# Altium PCB Board.PcbDoc (part 2 of 2)
Units mm, origin at the board's own origin, x right, y up, seen from the top; angles counter-clockwise.
Board outline 100 x 100 mm, 2 copper layers (1-Top, 2-Bottom), stack 1.027 mm thick; 157 components, 128 nets, 685 pads, 673 vias.
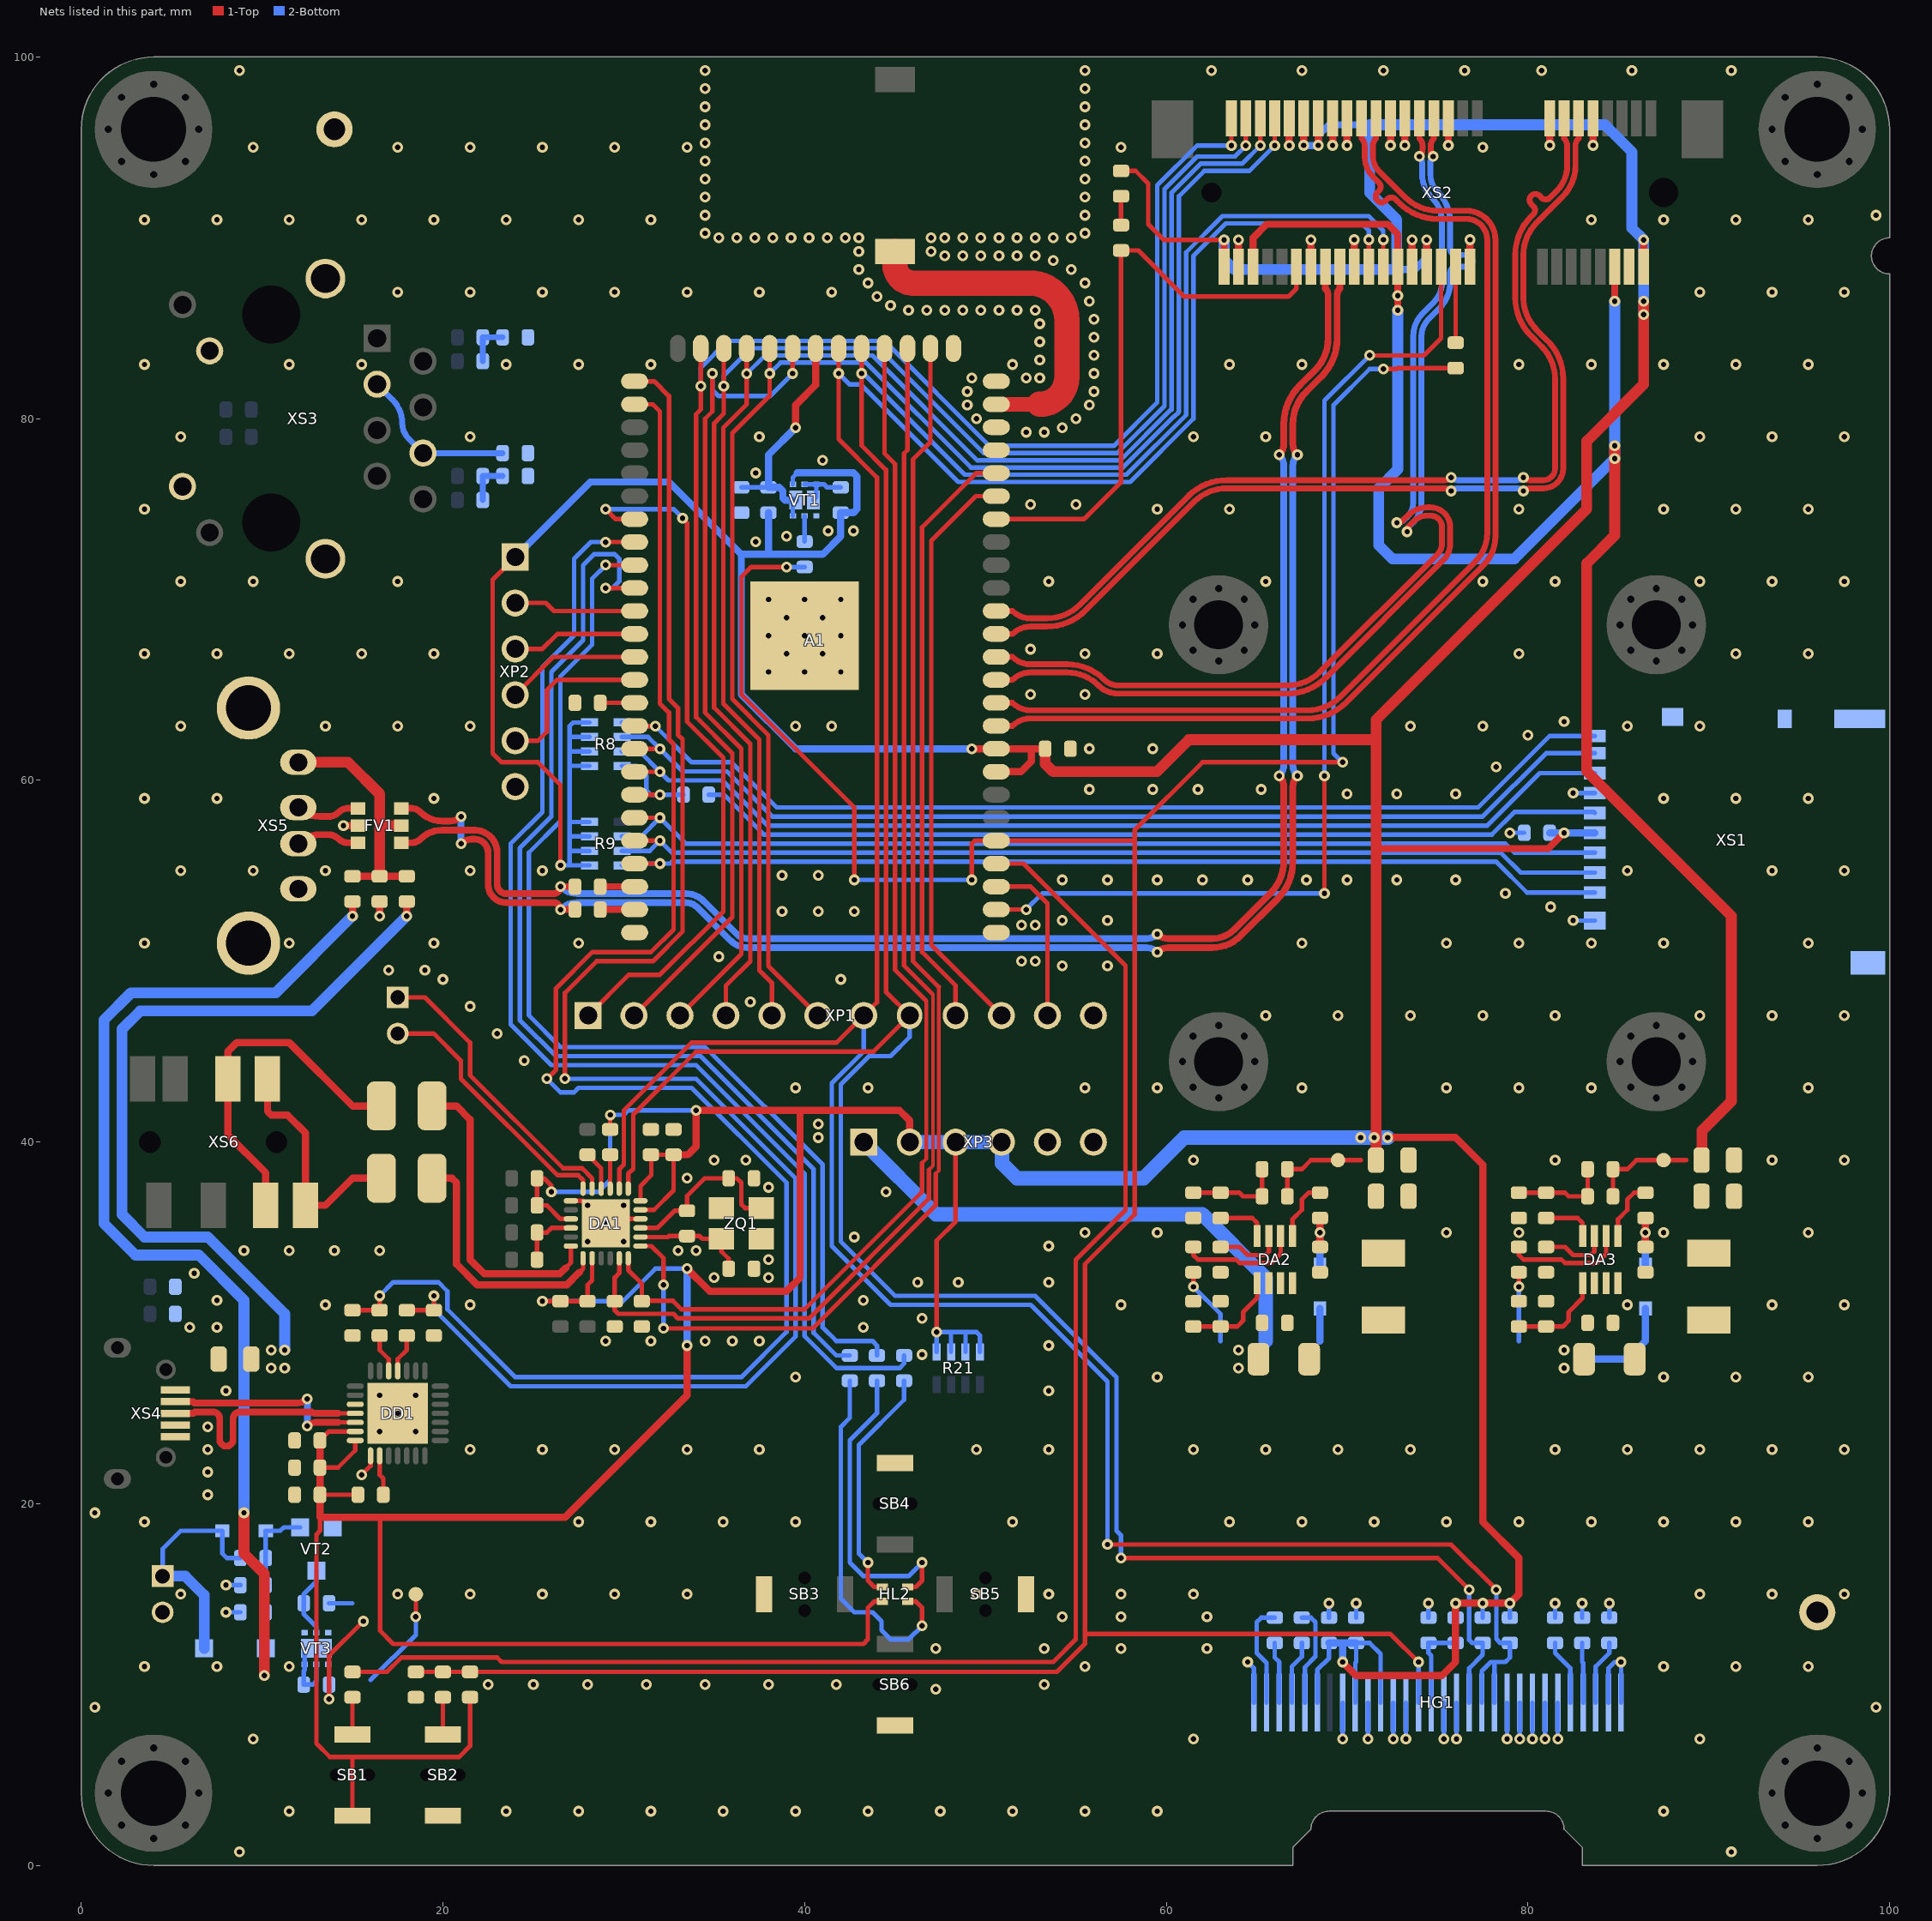
[diagram p2: the nets of this part, all layers, seen from the top]

## Via types
v1: diameter 0.6, hole 0.3, 1-Top to 2-Bottom, tented both sides, 649 vias
v2: diameter 0.6, hole 0.3, 1-Top to 2-Bottom, 24 vias

## Nets (pads, with @x,y where several pads share a name; then routed paths per layer and width w, separated by ;. In a path a pad name is that pad's centre, name@x,y a point inside that pad or via, vN(x,y) a via of type N, cw(c..) or ccw(c..) an arc to the next point about the centre after c; other vN are vias at no path point) (continued)
GND: A1.1 A1.22 A1.23 A1.25 A1.63 A1.TP C1.2 C2.1 C3.2 C4.1 C5.1 C6.1 C9.1 C10.1 C11.1 C12.1 C13.1 C14.1 C15.1 C16.1 C17.2 C18.1 C19.1 C20.1 C21.1 C25.2 C26.2 C33.1 C34.1 C35.1 C36.1 C37.1 C38.1 C39.1 C40.1 C41.1 C46.1 C47.1 C48.1 C49.1 DA1.10 DA1.19 DA1.TP DA2.4 DA3.4 DD1.3 DD1.TP FV1.2 HG1.1 HG1.8 HG1.10 HG1.12 HG1.13 HG1.16 HG1.17 HG1.21 HG1.22 HG1.23 HG1.24 HG1.25 HG1.29 HG1.30 KT4.1 KT5.1 L2.1 R10.1 R14.1 R23.1 R24.1 R25.2 R35.1 R36.1 R41.2 R45.1 R46.1 R53.1 R54.1 SB2.1 SB3.2 SB4.2 SB5.2 SB6.2 VT1.1 VT2.3 VT3.1 XP1.12 XP2.6 XP3.5 XP3.6 XP5.2 XS1.6 XS1.CASE XS1.CDA XS2.4 XS2.9 XS2.15 XS2.18 XS2.21 XS2.26 XS2.27 XS2.29 XS2.34 XS2.35 XS2.37 XS2.40 XS2.43 XS2.50 XS3.10 XS3.11 XS3.CASE XS4.4 XS4.5 XS5.4 XS5.5 ZQ1.2 ZQ1.4 | length 63.1
  1-Top w0.25: DA1.19@27.075,36.75 27.75,36.75 v2(28,36.5) ; v2(29,35.5) 29.25,35.75 DA1.10@30.925,35.75
  1-Top w0.4: v1(14.5,57.5) FV1.2@15.3,57.5 ; v1(16.5,52.5) C17.2@16.5,53.3 ; XS2.50@64,88.389 XS2.50@64,88.4 v1(64,89.889) ; v1(66.8,95.1) XS2.43@66.8,96.6 ; XS2.40@68,88.389 XS2.40@68,88.4 v1(68,89.889) ; v1(69.2,95.111) XS2.37@69.2,96.6 XS2.37@69.2,96.611 ; v1(70,95.111) XS2.35@70,96.6 XS2.35@70,96.611 ; XS2.34@70.4,88.4 v1(70.4,89.9) ; v1(72.4,95.111) XS2.29@72.4,96.6 XS2.29@72.4,96.611 ; v1(73.2,95.111) XS2.27@73.2,96.6 XS2.27@73.2,96.611 ; XS2.26@73.6,88.389 XS2.26@73.6,88.4 v1(73.6,89.889) ; v1(75.6,95.111) XS2.21@75.6,96.6 XS2.21@75.6,96.611 ; XS2.18@76.8,88.4 v1(76.8,89.9) ; v1(81.2,95.111) XS2.15@81.2,96.6 XS2.15@81.2,96.611 ; v1(83.6,95.111) XS2.9@83.6,96.6 XS2.9@83.6,96.611
  2-Bottom w0.25: v1(8,14) C33.1@8.8,14 ; v1(8,15.5) R41.2@8.8,15.5 ; v1(64.5,11.25) 64.85,10.9 HG1.1@64.85,9 ; C5.1@69,13.7 v1(69,14.5) ; v1(69.75,7) HG1.8@69.75,9 ; C4.1@70.5,13.7 v1(70.5,14.5) ; v1(71.15,7) HG1.10@71.15,9 ; v1(72.55,7) HG1.12@72.55,9 ; v1(73.25,7) HG1.13@73.25,9 ; R23.1@74.5,13.7 v1(74.5,14.5) ; v1(75.35,7) HG1.16@75.35,9 ; v1(76.05,7) HG1.17@76.05,9 ; v1(78.85,7) HG1.21@78.85,9 ; v1(79,57.1) C1.2@79.8,57.1 ; v1(79.55,7) HG1.22@79.55,9 ; v1(80.25,7) HG1.23@80.25,9 ; v1(80.95,7) HG1.24@80.95,9 ; R24.1@81.5,13.7 v1(81.5,14.5) ; v1(81.65,7) HG1.25@81.65,9 ; v1(82.5,52.25) XS1.CASE@83.7,52.25 ; v1(82.5,59.3) XS1.6@83.7,59.3 ; C9.1@83,13.7 v1(83,14.5) ; HG1.29@84.45,9 84.45,10.9 84.8,11.25 v1(85.15,11.25) HG1.30@85.15,9 ; C6.1@84.5,13.7 v1(84.5,14.5)
  other v1: 8.75,0.75 91.25,0.75 11.5,3 23.5,3 27.5,3 31.5,3 35.5,3 39.5,3 43.5,3 47.5,3 51.5,3 55.5,3 59.5,3 87.5,3 9.5,7 61.5,7 89.5,7 0.75,8.75 99.25,8.75 47.25,9.75 22.5,10 25,10 28,10 31.25,10 34.5,10 38,10 41.75,10 53.25,10 3.5,11 7.5,11 11.5,11 55.5,11 87.5,11 91.5,11 95.5,11 47.25,12 53.25,12 57.5,12 62.25,12 54.25,13.75 57.5,13.75 62.25,13.75 5.5,15 17.5,15 21.5,15 25.5,15 29.5,15 33.5,15 49.5,15 53.5,15 57.5,15 61.5,15 89.5,15 93.5,15 97.5,15 3.5,19 27.5,19 31.5,19 35.5,19 39.5,19 51.5,19 63.5,19 67.5,19 71.5,19 75.5,19 79.5,19 83.5,19 87.5,19 91.5,19 95.5,19 0.75,19.5 7,20.5 7,21.75 7,23 21.5,23 25.5,23 29.5,23 33.5,23 37.5,23 49.5,23 53.5,23 61.5,23 65.5,23 69.5,23 73.5,23 81.5,23 85.5,23 89.5,23 93.5,23 97.5,23 7,24.25 8,26.25 53.5,26.25 39.5,27 59.5,27 87.5,27 91.5,27 95.5,27 46.5,28.25 53.5,28.75 29,29 31.5,29 34.5,29 36,29 37.5,29 6,29.75 7.5,29.75 43.25,29.75 46.5,30.25 13.5,31 21.5,31 57.5,31 85.5,31 93.5,31 97.5,31 7.5,31.25 43.25,31.25 46.25,32.25 48.5,32.25 53.5,32.25 35,32.5 38,32.5 6.25,32.75 38,33.5 9,34 11.5,34 14,34 16.5,34 33,34 34,34 53.5,34.25 42.75,34.75 55.5,35 59.5,35 75.5,35 79.5,35 87.5,35 95.5,35 44.5,37.25 38,37.5 33.5,38 35,39 36.75,39 61.5,39 81.5,39 93.5,39 97.5,39 40.75,40.25 40.75,41 39.5,43 43.5,43 55.5,43 59.5,43 67.5,43 75.5,43 79.5,43 83.5,43 95.5,43 24.5,44.5 23,46 65.5,47 69.5,47 73.5,47 77.5,47 81.5,47 89.5,47 93.5,47 97.5,47 21.5,47.5 37,47.75 20,49 42,49 17,49.5 19,49.5 54.25,49.75 56.75,49.75 52,50 52.75,50 35.25,50.25 3.5,51 11.5,51 19.5,51 27.5,51 67.5,51 75.5,51 79.5,51 83.5,51 87.5,51 95.5,51 52,52 52.75,52 54.25,52.25 56.75,52.25 38.75,52.75 40.75,52.75 42.75,52.75 81.25,53 78.75,53.75 54.25,54.5 56.75,54.5 59.5,54.5 62,54.5 64.5,54.5 67.75,54.5 70,54.5 72.75,54.5 76,54.5 38.75,54.75 40.75,54.75 5.5,55 9.5,55 13.5,55 21.5,55 25.5,55 85.5,55 93.5,55 97.5,55 3.5,59 7.5,59 19.5,59 87.5,59 91.5,59 95.5,59 70,59.25 72.75,59.25 76,59.25 55.75,59.5 59.25,59.5 61.75,59.5 65.25,59.5 78.25,60.75 55.75,61.75 59.25,61.75 80,62.5 5.5,63 13.5,63 17.5,63 21.5,63 39.5,63 41.5,63 73.5,63 77.5,63 85.5,63 89.5,63 82,63.25 52.5,64.75 55.5,64.75 3.5,67 7.5,67 11.5,67 15.5,67 19.5,67 55.5,67 59.5,67 79.5,67 91.5,67 95.5,67 52.5,67.25 5.5,71 9.5,71 17.5,71 53.5,71 65.5,71 77.5,71 81.5,71 89.5,71 93.5,71 97.5,71 37.3,73.2 39,73.5 41.3,73.8 42.7,73.8 3.5,75 59.5,75 63.5,75 79.5,75 87.5,75 91.5,75 95.5,75 52.5,75.25 55,75.25 37.3,77 41,77.7 5.5,79 21.5,79 37.5,79 61.5,79 65.5,79 89.5,79 93.5,79 97.5,79 52.25,79.25 53.25,79.25 54.25,79.5 49.5,80 55,80 49,80.75 55.75,80.75 49,81.5 56,81.5 49.25,82.25 52.25,82.25 53,82.25 56,82.5 3.5,83 11.5,83 15.5,83 23.5,83 27.5,83 31.5,83 51.5,83 63.5,83 67.5,83 79.5,83 83.5,83 87.5,83 91.5,83 95.5,83 53,83.25 56,83.5 53,84.25 56,84.5 53,85.25 56,85.5 45.75,86 46.75,86 47.75,86 48.75,86 49.75,86 50.75,86 51.75,86 52.75,86 44.75,86.25 55.75,86.5 44,86.75 17.5,87 21.5,87 25.5,87 29.5,87 33.5,87 37.5,87 41.5,87 89.5,87 93.5,87 97.5,87 43.5,87.5 55.5,87.5 43,88.25 54.75,88.25 53.75,88.75 47.75,89 48.75,89 49.75,89 50.75,89 51.75,89 52.75,89 43,89.25 47,89.25 35.25,90 36.25,90 37.25,90 38.25,90 39.25,90 40.25,90 41.25,90 42.25,90 43,90 47,90 47.75,90 48.75,90 49.75,90 50.75,90 51.75,90 52.75,90 53.75,90 54.75,90 34.5,90.25 55.5,90.25 3.5,91 7.5,91 11.5,91 15.5,91 19.5,91 23.5,91 27.5,91 31.5,91 83.5,91 87.5,91 91.5,91 95.5,91 34.5,91.25 55.5,91.25 99.25,91.25 34.5,92.25 55.5,92.25 34.5,93.25 55.5,93.25 34.5,94.25 55.5,94.25 9.5,95 17.5,95 21.5,95 25.5,95 29.5,95 33.5,95 57.5,95 77.5,95 34.5,95.25 55.5,95.25 34.5,96.25 55.5,96.25 34.5,97.25 55.5,97.25 34.5,98.25 55.5,98.25 8.75,99.25 34.5,99.25 55.5,99.25 62.5,99.25 67.5,99.25 72,99.25 76.5,99.25 80.75,99.25 85.75,99.25 91.25,99.25
  other v2: 16.5,24 18.5,24 17.5,25 16.5,26 18.5,26 28,34.5 30,34.5 30,36.5 38,66 40,66 42,66 39,67 41,67 38,68 40,68 42,68 39,69 41,69 38,70 40,70 42,70
GPIO14: A1.45 XP1.1 | length 38.8
  1-Top w0.25: XP1.1@28.03,47 30.28,49.25 32,49.25 35.5,52.75 35.5,61.25 33.5,63.25 33.5,74.25 v1(33.25,74.5) ; v1(29,75) 29.554,74.446 A1.45@30.6,74.446
  2-Bottom w0.25: v1(29,75) 32.75,75 v1(33.25,74.5)
GPIO36: A1.3 XP1.11 | length 9.4
  1-Top w0.25: A1.3@50.6,54.126 52.5,54.126 53.43,53.196 XP1.11@53.43,47
HVBUS: C17.1 FV1.5 R37.1 R38.1 XS5.1 | length 14
  1-Top w0.4: R37.1@15,54.7 C17.1@16.5,54.7 R38.1@18,54.7
  1-Top w0.6: XS5.1@12,61 14.75,61 16.5,59.25 16.5,57.513 ; C17.1@16.5,54.7 16.5,57.513 ; FV1.5@17.7,57.5 16.513,57.5 16.5,57.513
I2C_SCL: A1.30 DA1.13 HG1.18 R11.2 XP1.8 XS2.30 | length 174.9
  1-Top w0.25: DA1.13@30.25,37.425 30.25,38.25 30.525,38.525 30.525,41.525 34,45 43.81,45 XP1.8@45.81,47 44.5,48.31 44.5,77.17 43.15,78.52 v1(43.15,82.5) A1.30@43.15,83.88 ; v1(57.5,17) 75,17 v1(76.75,15.25) ; XS2.30@72,88.4 v1(72,89.9)
  2-Bottom w0.25: v1(43.15,82.5) 43.25,82.5 48.85,76.9 57.8,76.9 61.1,80.2 61.1,89.2 63.1,91.2 71.2,91.2 72,90.4 v1(72,89.9) ; XP1.8@45.81,47 45.81,45.81 44.75,44.75 43.56,44.75 42,43.19 42,34.5 45,31.5 52.75,31.5 57.25,27 57.25,18.5 57.5,18.25 v1(57.5,17) ; HG1.18@76.75,9 76.75,10.9 77.5,11.65 R11.2@77.5,12.3 76.925,12.3 76.75,12.475 v1(76.75,15.25)
I2C_SDA: A1.31 DA1.14 HG1.19 HG1.20 R12.2 XP1.7 XS2.32 | length 176.7
  1-Top w0.25: DA1.14@29.75,37.425 29.75,38.5 30,38.75 30,41.75 33.75,45.5 41.77,45.5 XP1.7@43.27,47 44,47.73 44,76.75 41.88,78.87 v1(41.88,82.5) A1.31@41.88,83.88 ; v1(56.75,17.75) 75.75,17.75 v1(78.25,15.25) ; XS2.32@71.2,88.4 v1(71.2,89.9)
  2-Bottom w0.25: v1(41.88,82.5) 42.48,81.9 43.1,81.9 48.5,76.5 58,76.5 61.5,80 61.5,89 63.3,90.8 70.8,90.8 71.2,90.4 v1(71.2,89.9) ; XP1.7@43.27,47 43.27,45.02 41.5,43.25 41.5,34.25 44.75,31 52.5,31 56.75,26.75 v1(56.75,17.75) ; HG1.19@77.45,9 77.45,10.75 77.95,11.25 78.14,11.25 ; HG1.20@78.15,9 78.15,11.24 78.14,11.25 ; v1(78.25,15.25) 78.25,12.525 78.475,12.3 R12.2@79,12.3 79,11.5 78.75,11.25 78.14,11.25
I2S_CLK: A1.29 C19.2 DA1.6 | length 68.8
  1-Top w0.2: 46.496,38.851 46.737,39.092 46.737,47.813
  1-Top w0.25: DA1.6@30.25,33.575 30.25,32.925 31,32.175 C19.2@31,31.2 31.025,31.225 32.715,31.225 33.19,30.75 40,30.75 46.496,37.246 46.496,38.851 ; A1.29@44.42,83.88 44.42,78.08 45,77.5 45,49.525 46.712,47.813
I2S_SDI: A1.26
I2S_SDO: A1.27 DA1.7 | length 71.7
  1-Top w0.2: 47.25,38.25 47.423,38.423 47.423,48.577 47.416,48.584
  1-Top w0.25: DA1.7@30.925,34.25 31.526,34.25 32.201,33.575 v1(32.201,32.102) ; v1(32.201,29.7) 40.45,29.7 47.25,36.5 47.25,38.25 ; A1.27@46.96,83.88 46.96,78.71 46,77.75 46,50 47.416,48.584
  2-Bottom w0.25: v1(32.201,29.7) 32.201,31.797 ; 32.201,31.799 32.201,31.801 v1(32.201,32.102)
I2S_WS: A1.28 C18.2 DA1.5 | length 71.1
  1-Top w0.2: 46.873,38.468 47.096,38.691 47.096,48.154 47.039,48.211
  1-Top w0.25: DA1.5@29.75,33.575 29.75,32.75 29.5,32.5 C18.2@29.5,31.2 29.5,30.7 29.7,30.5 32.75,30.5 33,30.25 40.25,30.25 46.873,36.873 46.873,38.468 ; A1.28@45.69,83.88 45.69,78.27 45.5,78.08 45.5,49.75 47.039,48.211
LCD_ADDR: HG1.15 R22.1 R23.2 | length 4.9
  2-Bottom w0.25: HG1.15@74.65,9 74.65,11.6 74.5,11.75 R23.2@74.5,12.3 R22.1@76,12.3
LED_B: A1.46 R20.1 | length 66.4
  1-Top w0.25: v1(29,73.176) A1.46@30.6,73.176
  2-Bottom w0.25: v1(29,73.176) 28.176,73.176 27.25,72.25 27.25,68.02 25.5,66.27 25.5,58.25 23.75,56.5 23.75,46.5 26,44.25 34,44.25 40,38.25 40,29.275 41.775,27.5 45.25,27.5 45.5,27.75 R20.1@45.5,28.2
LED_G: A1.47 R19.1 | length 60.9
  1-Top w0.25: v1(29,71.906) A1.47@30.6,71.906
  2-Bottom w0.25: v1(29,71.906) 28.25,71.156 28.25,67.5 26.5,65.75 26.5,57.75 24.75,56 24.75,47 26.5,45.25 34.5,45.25 41,38.75 41,29.75 41.75,29 43.75,29 44,28.75 R19.1@44,28.2
LED_R: A1.48 R18.1 | length 63.9
  1-Top w0.25: v1(29,70.636) A1.48@30.6,70.636
  2-Bottom w0.25: v1(29,70.636) 29.386,70.636 29.75,71 29.75,72.25 29.5,72.5 28.344,72.5 27.75,71.906 27.75,67.75 26,66 26,58 24.25,56.25 24.25,46.75 26.25,44.75 34.25,44.75 40.5,38.5 40.5,29.45 41.75,28.2 R18.1@42.5,28.2
NetA1_24: A1.24 WA1.1 | length 19.9
  1-Top w0.8: A1.24@50.6,80.796 53,80.796
  1-Top w1.4: WA1.1@45,89.25 45,88.5 ccw(c46,88.5) 46,87.5 52.448,87.5 cw(c52.448,85.448) 54.5,85.448 54.5,82.296 cw(c53,82.296) 53,80.796
NetA1_61: A1.61 R15.2 | length 1.9
  1-Top w0.37: R15.2@28.7,54.126 A1.61@30.6,54.126
NetA1_62: A1.62 R16.2 | length 1.9
  1-Top w0.37: R16.2@28.7,52.856 A1.62@30.6,52.856
NetC6_2: C6.2 HG1.28 | length 3.6
  2-Bottom w0.25: HG1.28@83.75,9 83.75,11 84.5,11.75 C6.2@84.5,12.3
NetC7_1: C7.1 HG1.5 | length 5.5
  2-Bottom w0.25: C7.1@67.5,13.7 68,13.7 68.25,13.45 68.25,11.55 67.67,10.97 HG1.5@67.67,9
NetC7_2: C7.2 HG1.4 | length 3.5
  2-Bottom w0.25: HG1.4@66.95,9 66.95,11 67.5,11.55 C7.2@67.5,12.3
NetC8_1: C8.1 HG1.3 | length 3.4
  2-Bottom w0.25: C8.1@66,12.3 66,11.5 66.25,11.25 HG1.3@66.25,9
NetC8_2: C8.2 HG1.2 | length 5.8
  2-Bottom w0.25: HG1.2@65.55,9 65.55,11.2 65,11.75 65,13.45 65.25,13.7 C8.2@66,13.7
NetC9_2: C9.2 HG1.27 | length 3.3
  2-Bottom w0.25: C9.2@83,12.3 83,11.25 83.05,11.2 HG1.27@83.05,9
NetC10_2: C10.2 XS3.3 XS3.6 | length 9.1
  2-Bottom w0.325: XS3.3@16.36,81.905 17.209,81.056 cw(c15.903,79.75) 17.75,79.75 ccw(c18.969,79.75) 18.107,78.888 XS3.6@18.9,78.095 C10.2@23.3,78.095
NetC15_2: C15.2 R28.1 R29.1 | length 2.4
  2-Bottom w0.325: R28.1@22.2,75.5 R29.1@22.2,76.825 C15.2@23.3,76.825
NetC16_2: C16.2 R30.1 R31.1 | length 2.4
  2-Bottom w0.325: R30.1@22.2,83.175 R31.1@22.2,84.5 C16.2@23.3,84.5
NetC20_2: C20.2 DA1.8 R39.1 ZQ1.1 | length 6.4
  1-Top w0.25: DA1.8@30.925,34.75 32.45,34.75 32.5,34.8 R39.1@33.5,34.8 34.2,34.8 34.35,34.65 ZQ1.1@35.4,34.65 35.4,33.95 35.8,33.55 C20.2@35.8,33
NetC21_2: C21.2 DA1.9 R39.2 ZQ1.3 | length 9.7
  1-Top w0.25: DA1.9@30.925,35.25 31.85,35.25 32.8,36.2 R39.2@33.5,36.2 33.5,37.025 34.475,38 C21.2@35.8,38 36.25,38 36.5,37.75 36.5,36.55 36.7,36.35 ZQ1.3@37.6,36.35
NetC22_2: C22.2 DA1.16 | length 2.2
  1-Top w0.25: C22.2@28,39.3 28.75,38.55 DA1.16@28.75,37.425
NetC23_2: C23.2 C24.2 DA1.22 | length 3.5
  1-Top w0.25: C24.2@25.2,33.5 C23.2@25.2,35 25.75,35 26,35.25 DA1.22@27.075,35.25
NetC31_2: C31.2 XS6.3 XS6.6 | length 19.5
  1-Top w0.4: XS6.3@10.2,36.5 10.2,38.3 8.1,40.4 XS6.6@8.1,43.5 8.1,45 8.6,45.5 11.5,45.5 15,42 C31.2@16.6,42
NetC32_2: C32.2 XS6.2 XS6.5 | length 13.2
  1-Top w0.4: XS6.2@10.3,43.5 10.3,41.7 10.5,41.5 11.4,41.5 12.4,40.5 XS6.5@12.4,36.5 13.5,36.5 15,38 C32.2@16.6,38
NetC33_2: C33.2 R41.1 R42.1 VD1.1 VT2.1 | length 6.5
  2-Bottom w0.25: C33.2@10.2,14 R41.1@10.2,15.5 R42.1@10.2,17 VD1.1@10.2,18.5 11,18.5 11.2,18.7 VT2.1@12.1,18.7
NetC38_2: C38.2 DA2.1 R45.2 | length 5.3
  1-Top w0.25: C38.2@61.5,29.8 R45.2@63,29.8 63.925,29.8 64.25,30.125 64.25,30.6 65.025,31.375 DA2.1@65.025,32.2
NetC39_2: C39.2 DA3.1 R46.2 | length 5.3
  1-Top w0.25: C39.2@79.5,29.8 R46.2@81,29.8 81.925,29.8 82.25,30.125 82.25,30.6 83.025,31.375 DA3.1@83.025,32.2
NetC40_2: C40.2 DA2.7 | length 3.8
  1-Top w0.25: C40.2@63,34.2 64.05,34.2 64.5,33.75 65.475,33.75 65.675,33.95 DA2.7@65.675,34.8
NetC41_2: C41.2 DA3.7 | length 3.8
  1-Top w0.25: C41.2@81,34.2 82.05,34.2 82.5,33.75 83.475,33.75 83.675,33.95 DA3.7@83.675,34.8
NetC42_1: C42.1 R49.2 VD3.2 | length 3.4
  1-Top w0.4: C42.1@68.5,34.2 v1(68.5,35) R49.2@68.5,35.8
  2-Bottom w0.4: VD3.2@68.5,33.2 v1(68.5,35)
NetC42_2: C42.2 DA2.3 L3.1
NetC43_1: C43.1 R51.2 VD4.2 | length 3.4
  1-Top w0.4: C43.1@86.5,34.2 v1(86.5,35) R51.2@86.5,35.8
  2-Bottom w0.4: VD4.2@86.5,33.2 v1(86.5,35)
NetC43_2: C43.2 DA3.3 L4.1
NetC44_1: C44.1 R50.2 R53.2 R55.1 | length 5.4
  1-Top w0.25: R53.2@61.5,37.2 R50.2@63,37.2 64.05,37.2 64.25,37 R55.1@65.3,37 C44.1@65.3,38.5
NetC45_1: C45.1 R52.2 R54.2 R56.1 | length 5.4
  1-Top w0.25: R54.2@79.5,37.2 R52.2@81,37.2 82.05,37.2 82.25,37 R56.1@83.3,37 C45.1@83.3,38.5
NetDA1_15: DA1.15 R40.2 | length 1.9
  1-Top w0.25: DA1.15@29.25,37.425 R40.2@29.25,39.3
NetDA2_5: DA2.5 R49.1 | length 3.4
  1-Top w0.25: DA2.5@66.975,34.8 66.975,35.725 67.5,36.25 67.5,36.825 67.875,37.2 R49.1@68.5,37.2
NetDA2_6: DA2.6 R47.2 | length 6.6
  1-Top w0.25: R47.2@61.5,34.2 61.5,33.75 61.75,33.5 63.862,33.5 64.05,33.312 65.812,33.312 66.325,33.825 DA2.6@66.325,34.8
NetDA2_8: DA2.8 R50.1 | length 2.9
  1-Top w0.25: R50.1@63,35.8 64.75,35.8 65.025,35.525 DA2.8@65.025,34.8
NetDA3_5: DA3.5 R51.1 | length 3.4
  1-Top w0.25: DA3.5@84.975,34.8 84.975,35.725 85.5,36.25 85.5,36.825 85.875,37.2 R51.1@86.5,37.2
NetDA3_6: DA3.6 R48.2 | length 6.6
  1-Top w0.25: R48.2@79.5,34.2 79.5,33.75 79.75,33.5 81.862,33.5 82.05,33.312 83.812,33.312 84.325,33.825 DA3.6@84.325,34.8
NetDA3_8: DA3.8 R52.1 | length 2.9
  1-Top w0.25: R52.1@81,35.8 82.75,35.8 83.025,35.525 DA3.8@83.025,34.8
NetDD1_9: DD1.9 R34.2 | length 2.2
  1-Top w0.25: DD1.9@16.5,22.65 16.5,21.6 16.7,21.4 R34.2@16.7,20.5
NetDD1_25: DD1.25 R33.1 | length 2.2
  1-Top w0.25: DD1.25@17.5,27.35 17.5,28 18,28.5 R33.1@18,29.3
NetDD1_26: DD1.26 R32.1 | length 2.2
  1-Top w0.25: R32.1@16.5,29.3 16.5,28.5 17,28 DD1.26@17,27.35
NetHG1_26: HG1.26 R24.2 | length 3.7
  2-Bottom w0.25: R24.2@81.5,12.3 81.5,11.75 82.35,10.9 HG1.26@82.35,9
NetHL1_2: HL1.2 R2.1 | length 1.6
  1-Top w0.25: R2.1@57.5,90.7 HL1.2@57.5,92.3
NetHL2_1: HL2.1 R18.2 | length 20.2
  1-Top w0.25: HL2.1@45.7,14.6 46.15,14.6 46.5,14.25 v1(46.5,13.25)
  2-Bottom w0.25: R18.2@42.5,26.8 42.5,24.75 42,24.25 42,14.75 42.75,14 43.75,14 44.25,13.5 44.25,13 44.75,12.5 45.75,12.5 v1(46.5,13.25)
NetHL2_3: HL2.3 R20.2 | length 13.2
  1-Top w0.25: v1(43.5,16.75) 43.5,15.75 43.85,15.4 HL2.3@44.3,15.4
  2-Bottom w0.25: v1(43.5,16.75) 43,17.25 43,23.25 45.5,25.75 R20.2@45.5,26.8
NetHL2_4: HL2.4 R19.2 | length 17.2
  1-Top w0.25: HL2.4@45.7,15.4 46.15,15.4 46.5,15.75 v1(46.5,16.75)
  2-Bottom w0.25: R19.2@44,26.8 44,25 42.5,23.5 42.5,16.75 43.25,16 45.75,16 v1(46.5,16.75)
NetL1_1: L1.1 XS4.1
NetR1_2: R1.2 VT1.2 | length 1.4
  2-Bottom w0.25: R1.2@40,73.2 VT1.2@40,74.625
NetR3_1: R3.1 SB1.2 | length 2
  1-Top w0.25: SB1.2@15,7.25 R3.1@15,9.3
NetR4_1: R4.1 SB2.2 | length 2
  1-Top w0.25: SB2.2@20,7.25 R4.1@20,9.3
NetR5_1: R5.1 VT1.5 VT1.6 | length 3
  2-Bottom w0.25: VT1.5@40,76.375 VT1.6@40.65,76.375 ; VT1.6@40.49,75.5 40.65,75.66 VT1.6@40.65,76.375 ; R5.1@42,76.2 41.25,76.2 41.075,76.375 VT1.6@40.65,76.375
NetR7_1: R7.1 XS1.5 | length 50.5
  2-Bottom w0.25: R7.1@34.7,59.206 35.544,59.206 37.75,57 78,57 79.25,58.25 83.65,58.25 XS1.5@83.7,58.2
NetR42_2: R42.2 VD1.2 VD2.1 XP5.1 | length 13.3
  2-Bottom w0.25: XP5.1@4.5,16 4.5,17.5 5.5,18.5 VD1.2@7.8,18.5 7.8,17.25 8.05,17 R42.2@8.8,17
  2-Bottom w0.6: XP5.1@4.5,16 5.75,16 6.8,14.95 VD2.1@6.8,12
NetR43_1: R43.1 VT2.2 VT3.2 | length 4
  2-Bottom w0.25: VT3.2@13,12.875 13,13.2 12.3,13.9 R43.1@12.3,14.5 12.3,15 13,15.7 VT2.2@13,16.3
NetR44_1: R44.1 VT3.5 VT3.6 | length 3.8
  2-Bottom w0.25: VT3.6@12.51,12 12.35,11.84 VT3.6@12.35,11.125 12.35,10.8 12.3,10.75 R44.1@12.3,10 12.8,10 13,10.2 VT3.5@13,11.125
OUT_L: C32.1 DA1.1 | length 14.4
  1-Top w0.25: 27.545,32.795 27.75,33 DA1.1@27.75,33.575
  1-Top w0.4: C32.1@19.4,38 20.5,38 20.75,37.75 20.75,33.25 21.898,32.102 26.852,32.102 27.545,32.795
OUT_R: C31.1 DA1.24 | length 17.2
  1-Top w0.25: 26.788,33.038 27.075,33.325 DA1.24@27.075,34.25
  1-Top w0.4: C31.1@19.4,42 20.75,42 21.5,41.25 21.5,33.5 22.277,32.723 26.473,32.723 26.788,33.038
PCIE_CLK_N: A1.14 XS2.11 | length 56.2
  1-Top w0.325: A1.14@50.6,68.096 51.5,68.096 cw(c52.488,67.108) 52.488,68.505 53.406,68.505 ccw(c53.406,71.493) 55.519,69.38 61.544,75.405 cw(c63.34,73.609) 63.34,76.149 75.39,76.149 cw(c75.39,75.64) v1(75.75,76) ; v1(79.75,76) cw(c80.11,75.64) 80.11,76.149 80.851,76.149 ccw(c80.851,77.25) 81.952,77.25 81.952,82.2 ccw(c78.964,82.2) 81.077,84.312 80.494,84.895 cw(c82.29,86.691) 79.75,86.691 79.75,89.059 cw(c82.29,89.059) 80.494,90.855 81.912,92.273 ccw(c80.187,93.997) 82.626,93.997 82.626,95.079 cw(c83.221,95.079) 82.8,95.5 XS2.11@82.8,96.6
  2-Bottom w0.325: v1(75.75,76) cw(c76.11,75.64) 76.11,76.149 79.39,76.149 cw(c79.39,75.64) v1(79.75,76)
PCIE_CLK_P: A1.15 XS2.13 | length 56.6
  1-Top w0.325: A1.15@50.6,69.366 51.5,69.366 ccw(c52.488,70.354) 52.488,68.957 53.404,68.957 ccw(c53.404,71.497) 55.201,69.701 61.226,75.726 cw(c63.339,73.613) 61.228,75.728 cw(c63.339,73.613) 63.339,76.601 75.39,76.601 ccw(c75.39,77.11) v1(75.75,76.75) ; v1(79.75,76.75) ccw(c80.11,77.11) 80.11,76.601 80.851,76.601 ccw(c80.851,77.25) 81.5,77.25 81.5,82.198 ccw(c78.96,82.198) 80.756,83.994 80.174,84.576 cw(c82.287,86.69) 79.298,86.69 79.298,89.061 cw(c82.287,89.061) 80.174,91.174 80.297,91.297 ccw(c80.067,91.526) 80.297,91.756 80.182,91.87 cw(c80.412,92.1) 80.182,92.329 cw(c80.412,92.1) 80.641,92.329 80.756,92.215 ccw(c80.985,92.444) 81.215,92.215 81.3,92.3 81.59,92.59 ccw(c80.181,94) 82.174,94 82.174,95.079 ccw(c81.579,95.079) 82,95.5 XS2.13@82,96.6